# Altium PCB uTCA_MCH_PCB3.pcbdoc (part 6 of 25)
Units mil, origin at the board's own origin, x right, y up, seen from the top; angles counter-clockwise.
Board outline 7110.66 x 2894.12 mil, 12 copper layers (Top Layer, GND1, MidLayer1, PWR1, MidLayer2, GND2, PWR2, MidLayer3, GND3, MidLayer4, PWR3, Bottom Layer), stack 63.15 mil thick; 767 components, 905 nets, 4553 pads, 2832 vias.
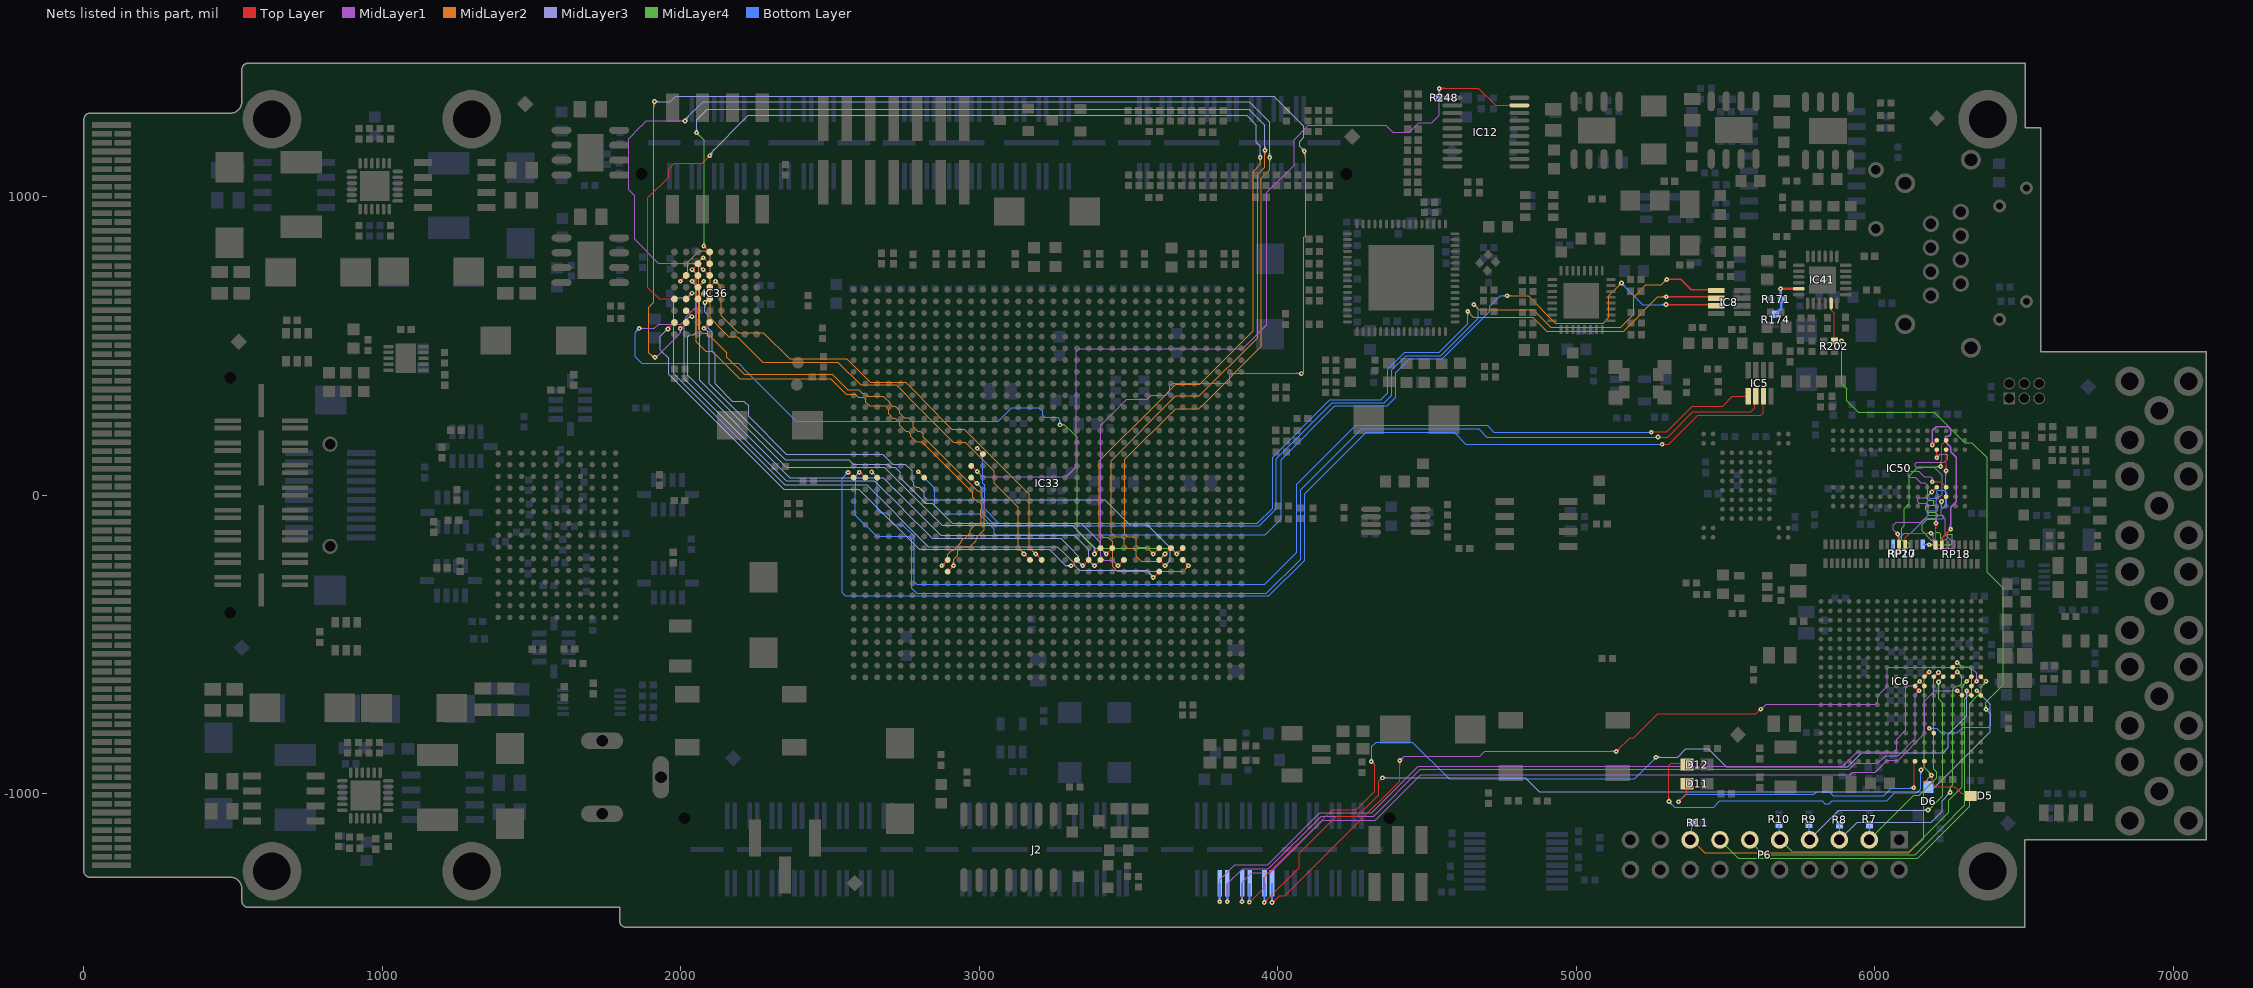
[diagram p16: the nets of this part, all layers, seen from the top]

## Via types
v1: diameter 15.75, hole 5.91, Top Layer to Bottom Layer, tented both sides, 2480 vias
v2: diameter 23.62, hole 11.81, Top Layer to Bottom Layer, tented both sides, 325 vias
v3: diameter 20, hole 10, Top Layer to Bottom Layer, tented both sides, 16 vias
v4: diameter 15.75, hole 7.87, Top Layer to Bottom Layer, tented both sides, 9 vias
v5: diameter 23.62, hole 11.81, Top Layer to Bottom Layer, 1 vias
v6: diameter 15.75, hole 5.91, Top Layer to Bottom Layer, 1 vias

## Nets (pads, with @x,y where several pads share a name; then routed paths per layer and width w, separated by ;. In a path a pad name is that pad's centre, name@x,y a point inside that pad or via, vN(x,y) a via of type N, cw(c..) or ccw(c..) an arc to the next point about the centre after c; other vN are vias at no path point) (continued)
CLK_25MHZ_IN: IC41.5 R171.2 R174.1 | length 165.9
  Top Layer w8: v1(5684.14,691.86) IC41.5@5745.08,691.86 ; v1@5686.88,689.12 cw(c5693.49,682.51) 5693.49,691.86 cw(c5693.49,701.21) v1@5686.88,694.6
  Bottom Layer w8: R174.1@5667.8,606.3 5686.81,625.31 R171.2@5686.81,655.79 ; v1(5684.14,691.86) 5684.33,691.67 R171.2@5684.33,659.06
CLK_EN: IC12.19 IC33.AD16 R248.1 | length 3168.4
  Top Layer w3.94: IC33.AD16@2972.44,98.43 2974.03,98.43 v1(2993.21,79.25) ; v1@2987.3,79.25 ccw(c2973.05,79.25) 2983.13,89.33 ccw(c2993.21,99.41) v1@2993.21,85.16 ; v1@4540.35,1364.24 4671.02,1364.24 4729.16,1306.1 IC12.19@4809.06,1306.1 ; v1@4542.12,1361.36 cw(c4549.08,1354.4) 4549.08,1364.24 ; v1@4544.91,1358.57 cw(c4558.58,1344.9) 4558.58,1364.24 ; v1@4544.91,1366.93 ccw(c4551.39,1373.41) 4551.39,1364.24
  MidLayer1 w3.94: v1@2993.21,73.34 cw(c2993.21,59.09) 3003.29,69.17 cw(c3013.37,79.25) v1@2999.12,79.25 ; v1(2993.21,79.25) 3010.31,62.15 3291.8,62.15 3325.17,95.52 3325.17,482.04 3333.93,490.8 3883.03,490.8 3963.2,570.97 3963.2,1014.32 4054.4,1105.52 4054.4,1191.8 4102.1,1239.5 4361.09,1239.5 4384.45,1216.14 4439.94,1216.14 4471.78,1247.98 4515.07,1247.98 4540.45,1273.36 v1@4540.45,1359.74 ; v1@4536.55,1358.57 cw(c4527.15,1349.17) 4540.45,1349.17 ; 4540.45,1347.82 cw(c4555.66,1347.82) v1@4544.91,1358.57
  Bottom Layer w3.94: v1@4536.55,1358.57 cw(c4526.13,1348.15) 4540.87,1348.15 ; R248.1@4540.87,1332.7 v1@4540.87,1361.51 ; 4540.87,1348.83 cw(c4554.65,1348.83) v1@4544.91,1358.57
  other v1: 4540.73,1362.75
CPU_JTAG.JNRST: D5.3 D6.3 IC6.M10 P6.15 R11.1 | length 1824
  Top Layer w3.94: IC6.M10@6166.06,-607.73 v1(6181.81,-591.98) ; v1@6175.91,-591.98 cw(c6161.65,-591.98) 6171.73,-602.07 cw(c6181.81,-612.15) v1@6181.81,-597.89 ; v1@6185.51,-942.62 cw(c6168.95,-959.18) 6192.37,-959.18 ; v1@6188.29,-939.83 cw(c6178.45,-949.68) 6192.37,-949.68 ; v1@6189.69,-940.41 6192.37,-943.09 6192.37,-965.06 6204.47,-977.16 6267.7,-977.16 6289.51,-998.97 6304.6,-998.97 D5.3@6309.53,-994.04 ; 6192.37,-946.22 cw(c6197.46,-946.22) v1@6193.86,-942.62
  MidLayer4 w3.94: v1@6175.91,-591.98 cw(c6161.65,-591.98) 6171.73,-602.07 cw(c6181.81,-612.15) v1@6181.81,-597.89 ; 6177.19,-922.53 cw(c6161.28,-938.44) v1@6183.78,-938.44 ; v1(6181.81,-591.98) 6166.06,-607.73 6166.06,-911.41 v1@6189.69,-935.03 ; 6183.91,-929.25 cw(c6174.72,-938.44) v1@6187.72,-938.44 ; 6185.43,-930.77 ccw(c6189.69,-926.52) v1@6189.69,-932.54
  MidLayer2 w3.94: P6.15@5384.53,-1153.38 5429.43,-1198.27 6113.07,-1198.25 6163.02,-1148.3 6163.02,-1135.49 ; 6163.26,-1135.25 6163.02,-1135.49 ; v1@6183.78,-938.44 cw(c6169.52,-938.44) 6179.6,-948.52 cw(c6189.69,-958.6) v1@6189.69,-944.35 ; v1@6189.69,-936.47 v1(6189.69,-938.44) 6163,-965.13 6163,-1135.51
  Bottom Layer w3.94: P6.15@5386.73,-1156.04 5386.73,-1099.07 R11.1@5389.09,-1096.71 ; D6.3@6177.87,-960.09 6177.87,-950.25 v1(6189.69,-938.44) ; v1@6183.78,-938.44 cw(c6169.52,-938.44) 6179.6,-948.52 cw(c6189.69,-958.6) v1@6189.69,-944.35
CPU_JTAG.JNTRST: IC6.N10 P6.3 R7.1 | length 788.8
  Top Layer w3.94: IC6.N10@6199.53,-607.73 v1(6213.31,-593.95) ; v1@6207.4,-593.95 cw(c6193.14,-593.95) 6203.23,-604.03 cw(c6213.31,-614.12) v1@6213.31,-599.86
  MidLayer4 w3.94: P6.3@5982.72,-1151.48 5983.72,-1151.48 6130.48,-1004.72 6149,-1004.72 6207.4,-946.32 6207.4,-928.6 6197.56,-918.76 6197.56,-609.7 v1(6213.31,-593.95) ; v1@6207.4,-593.95 cw(c6193.14,-593.95) 6203.23,-604.03 cw(c6213.31,-614.12) v1@6213.31,-599.86
  Bottom Layer w3.94: R7.1@5982.35,-1105.93 5982.35,-1155.16 P6.3@5984.24,-1157.05
CPU_JTAG.JRTCK: IC6.R11 P6.11 | length 1394.8
  Top Layer w3.94: IC6.R11@6260.55,-576.24 v1(6276.3,-560.49) ; v1@6270.39,-560.49 cw(c6256.14,-560.49) 6266.22,-570.57 cw(c6276.3,-580.65) v1@6276.3,-566.39
  MidLayer4 w3.94: P6.11@5581.84,-1159.08 5626.9,-1204.14 6134.52,-1204.14 6223.38,-1115.28 6223.48,-1115.28 6301.89,-1036.87 6301.89,-682 6324.41,-659.48 6324.41,-622.38 ; v1@6276.3,-566.39 cw(c6276.3,-580.65) 6286.38,-570.57 cw(c6296.46,-560.49) v1@6282.2,-560.49 ; v1(6276.3,-560.49) 6289.81,-574 6312.55,-574 6324.35,-585.8 6324.35,-622.32
  Bottom Layer w3.94: P6.11@5580.84,-1155.02 P6.11@5581.45,-1154.41
CPU_JTAG.JTCK: IC6.U10 P6.9 R10.1 | length 1205.8
  Top Layer w3.94: v1(6307.8,-623.48) IC6.U10@6323.54,-607.73 ; v1@6307.8,-617.57 ccw(c6307.8,-603.32) 6317.88,-613.4 ccw(c6327.96,-623.48) v1@6313.7,-623.48
  MidLayer4 w3.94: P6.9@5688.27,-1159.08 5723.15,-1193.96 6115.27,-1193.96 6160,-1149.23 6246.77,-1062.46 6246.77,-1021.32 6292.05,-976.04 6292.05,-639.23 v1(6307.8,-623.48) ; v1@6301.89,-623.48 cw(c6287.63,-623.48) 6297.71,-633.56 cw(c6307.8,-643.64) v1@6307.8,-629.39
  Bottom Layer w3.94: R10.1@5679.52,-1105.93 5679.52,-1148.58 P6.9@5682.61,-1151.67
CPU_JTAG.JTDI: IC6.R10 P6.5 R8.1 | length 1050.7
  Top Layer w3.94: IC6.R10@6260.55,-607.73 v1(6276.29,-591.98) ; 6266.2,-602.09 ccw(c6256.09,-591.98) v1@6270.38,-591.98 ; 6266.23,-602.05 cw(c6276.29,-612.11) v1@6276.29,-597.89
  MidLayer4 w3.94: v1@6248.12,-991.4 ccw(c6237.97,-981.25) 6252.33,-981.25 ; v1@6252.33,-994.72 6252.33,-978.35 6261.35,-969.33 6261.35,-650.19 6274.1,-637.44 6282.08,-637.44 6290.26,-629.26 6290.26,-605.95 v1(6276.29,-591.98) ; 6252.33,-981.4 ccw(c6266.48,-981.4) v1@6256.48,-991.4 ; v1@6276.29,-597.89 cw(c6276.29,-612.15) 6286.37,-602.06 cw(c6296.45,-591.98) v1@6282.19,-591.98
  MidLayer3 w3.94: P6.5@5881.21,-1154.67 5940.44,-1095.44 6188.46,-1095.44 6225.19,-1058.71 6225.19,-1022.79 v1@6251.3,-996.68 ; 6242.15,-1005.83 ccw(c6231.9,-995.58) v1@6246.39,-995.58 ; 6242.39,-1005.59 cw(c6252.3,-1015.5) v1@6252.3,-1001.49
  Bottom Layer w3.94: R8.1@5882.28,-1105.93 5882.28,-1153.41 P6.5@5886.43,-1157.56
  other v1: 6252.3,-995.58
CPU_JTAG.JTDO: IC6.V10 P6.13 | length 1444.5
  Top Layer w3.94: IC6.V10@6355.04,-607.73 v1@6370.79,-623.48 ; IC6.V10@6359.32,-612.01 ccw(c6372.76,-598.57) v1@6372.76,-617.57 ; 6364.07,-616.76 cw(c6357.34,-623.48) v1@6366.85,-623.48 ; 6366.04,-618.73 ccw(c6372.76,-612.01) v1@6372.76,-621.51
  MidLayer4 w3.94: P6.13@5486.57,-1161.11 5541.71,-1216.25 6143.18,-1216.25 6317.64,-1041.79 6317.64,-698.28 6346.99,-668.93 ; 6347.03,-668.93 6357.01,-658.95 6357.01,-641.2 v1@6370.79,-627.42 ; 6361.28,-636.92 ccw(c6347.84,-623.48) v1@6366.85,-623.48 ; 6366.03,-632.17 cw(c6372.76,-638.89) v1@6372.76,-629.39 ; 6368,-630.2 ccw(c6361.28,-623.48) v1@6370.79,-623.48
  other v1: 6372.76,-623.48
CPU_JTAG.JTMS: IC6.P10 P6.7 R9.1 | length 1067.9
  Top Layer w3.94: v1@6213.29,-623.49 IC6.P10@6229.06,-607.73 ; v1@6213.29,-619.54 ccw(c6213.29,-610) 6220.04,-616.75 ; v1@6215.26,-625.45 cw(c6224.73,-625.45) 6218.04,-618.75 ; v1@6219.2,-625.45 cw(c6238.18,-625.45) IC6.P10@6224.76,-612.03
  MidLayer4 w3.94: v1@6177.87,-1052.61 ccw(c6177.87,-1043.11) 6184.59,-1049.83 ; v1@6177.87,-1048.68 ccw(c6177.87,-1029.67) 6191.32,-1043.11 ; v1@6179.84,-1054.58 6228.25,-1006.18 6228.25,-697.48 6213.31,-682.54 v1(6213.29,-625.45) ; v1@6183.78,-1054.58 cw(c6193.28,-1054.58) 6186.56,-1047.86 ; v1@6209.12,-629.62 cw(c6199.01,-639.74) 6213.31,-639.74 ; 6213.31,-639.67 cw(c6227.52,-639.67) v1@6217.47,-629.62
  MidLayer3 w3.94: P6.7@5776.29,-1156.65 5878.36,-1054.58 v1(6177.87,-1054.58) ; v1@6173.7,-1058.76 ccw(c6163.62,-1068.84) 6163.62,-1054.58 ccw(c6163.62,-1040.33) v1@6173.7,-1050.41
  Bottom Layer w3.94: R9.1@5779.56,-1105.93 5780.64,-1105.93 P6.7@5780.64,-1146.78
CPU_LED1: D11.2 IC6.L1 | length 1075
  Top Layer w3.94: v1(5342,-1027) 5369.02,-999.98 D11.2@5369.02,-962.24 ; v1@5342,-1021.09 ccw(c5342,-1006.84) 5352.08,-1016.92 ccw(c5362.16,-1027) v1@5347.91,-1027 ; v1@6126.45,-975.6 ccw(c6111.62,-960.77) 6132.6,-960.77 ; v1@6129.24,-978.39 ccw(c6121.13,-970.27) 6132.6,-970.27 ccw(c6140.13,-970.27) v1@6134.81,-975.6 ; v1@6132.6,-977.81 IC6.L1@6132.6,-893.17
  Bottom Layer w3.94: v1(5342,-1027) 5367,-1002 5492,-1002 ; v1@5342,-1021.09 ccw(c5342,-1006.84) 5352.08,-1016.92 ccw(c5362.16,-1027) v1@5347.91,-1027 ; 5492.09,-1001.91 5796.04,-1001.91 5804.71,-993.24 5847.41,-993.24 5860.79,-1006.63 6028.98,-1006.63 6054.84,-980.76 v1@6127.68,-980.76 ; 6114,-980.76 ccw(c6114,-963.15) v1@6126.45,-975.6 ; 6118.75,-980.76 cw(c6118.75,-991.66) v1@6126.45,-983.96
  other v1: 6130.63,-979.78
CPU_LED2: D12.2 IC6.M1 | length 1254.4
  Top Layer w3.94: v1@5305.82,-1021.82 ccw(c5295.74,-1011.74) 5310,-1011.74 ccw(c5324.26,-1011.74) v1@5314.18,-1021.82 ; v1(5310,-1026) 5310,-906 5317.89,-898.11 D12.2@5370.71,-898.11 ; v1(6154.25,-920.72) 6166.06,-908.91 IC6.M1@6166.06,-891.2 ; v1@6154.25,-914.82 ccw(c6154.25,-900.56) 6164.33,-910.64 ccw(c6174.41,-920.72) v1@6160.16,-920.72
  Bottom Layer w3.94: v1@5310,-1031.91 cw(c5310,-1046.16) 5320.08,-1036.08 cw(c5330.16,-1026) v1@5315.91,-1026 ; v1(5310,-1026) 5329.45,-1045.45 5459.45,-1045.45 5480.6,-1024.3 5823.91,-1024.3 5832.93,-1033.33 5847.61,-1033.33 5856.63,-1024.3 6039.35,-1024.3 6066.15,-997.5 6140.47,-997.5 6154.25,-983.72 v1@6154.25,-922.69 ; v1@6150.08,-924.9 cw(c6139.99,-934.98) 6154.25,-934.98 cw(c6168.51,-934.98) v1@6158.43,-924.9
CPU_SSC.RD1: IC6.T8 J2.23 | length 2958.5
  Top Layer w3.94: v1@6276.3,-660.88 cw(c6276.3,-675.14) 6286.38,-665.06 cw(c6296.46,-654.98) v1@6282.2,-654.98 ; v1(6276.3,-654.98) IC6.T8@6292.05,-670.72
  MidLayer1 w3.94: v1@3875.74,-1358.03 ccw(c3865.66,-1347.94) 3879.91,-1347.94 ccw(c3894.17,-1347.94) v1@3884.09,-1358.03 ; v1(3879.91,-1362.2) 3879.91,-1296.09 3912,-1264 3975,-1264 4150.32,-1088.68 4326.68,-1088.68 4478.35,-937.01 5917.87,-937.01 5926.44,-928.44 6000.56,-928.44 6042,-887 6078,-887 6167.74,-797.26 6167.74,-687.74 6200.51,-654.98 v1(6276.3,-654.98) ; v1@6272.12,-659.15 ccw(c6262.04,-669.23) 6262.04,-654.98 ccw(c6262.04,-640.72) v1@6272.12,-650.8
  Bottom Layer w6.89: v1@3876.78,-1359.07 ccw(c3869.2,-1351.49) 3879.92,-1351.49 ; v1(3879.91,-1362.2) J2.23@3879.92,-1302.17 ; 3879.92,-1351.53 ccw(c3890.59,-1351.53) v1@3883.05,-1359.07
CPU_SSC.RF1: IC6.M9 J2.27 | length 2963.1
  Top Layer w3.94: v1@6150.31,-629.39 cw(c6150.31,-643.64) 6160.4,-633.56 cw(c6170.48,-623.48) v1@6156.22,-623.48 ; v1(6150.31,-623.48) IC6.M9@6166.06,-639.23
  MidLayer1 w3.94: v1@3800.93,-1358.03 ccw(c3790.85,-1347.94) 3805.11,-1347.94 ccw(c3819.37,-1347.94) v1@3809.29,-1358.03 ; v1(3805.11,-1362.2) 3805.11,-1288.89 3855.81,-1238.19 3965.81,-1238.19 4141.01,-1062.99 4314.96,-1062.99 4469.95,-908 5892.67,-908 5940.67,-860 6064,-860 6073,-851 6073,-817 6104,-786 6104,-645 6110.1,-638.9 6134.9,-638.9 v1(6150.31,-623.48) ; v1@6144.41,-623.48 cw(c6130.15,-623.48) 6140.23,-633.56 cw(c6150.31,-643.64) v1@6150.31,-629.39
  Bottom Layer w6.89: v1@3801.98,-1359.07 ccw(c3793.83,-1350.92) 3805.35,-1350.92 ; v1@3805.35,-1361.96 J2.27@3805.35,-1301.77 ; 3805.35,-1352.1 ccw(c3815.21,-1352.1) v1@3808.24,-1359.07
CPU_SSC.RK1: IC6.L9 J2.25 | length 2903.1
  Top Layer w3.94: IC6.L9@6134.57,-639.23 v1@6148.35,-653.01 ; IC6.L9@6136.87,-641.53 cw(c6123.43,-654.98) v1@6142.44,-654.98 ; 6141.63,-646.29 ccw(c6148.35,-639.57) v1@6148.35,-649.07 ; 6143.59,-648.26 cw(c6136.87,-654.98) v1@6146.38,-654.98
  MidLayer1 w3.94: v1@3826.53,-1358.03 ccw(c3816.44,-1347.94) 3830.7,-1347.94 ccw(c3844.96,-1347.94) v1@3834.88,-1358.03 ; v1(3830.7,-1362.2) 3830.7,-1302.3 3881.56,-1251.44 3968.56,-1251.44 4145,-1075 4320.67,-1075 4476.89,-918.78 5913.46,-918.78 5934.24,-898 6010,-898 6036,-872 6078.45,-872 6136,-814.45 6136,-667.32 v1(6148.35,-654.98) ; v1@6142.44,-654.98 cw(c6128.18,-654.98) 6138.27,-665.06 cw(c6148.35,-675.14) v1@6148.35,-660.88
  Bottom Layer w6.89: v1@3827.57,-1359.07 ccw(c3820.01,-1351.51) 3830.7,-1351.51 ccw(c3841.39,-1351.51) v1@3833.83,-1359.07 ; v1(3830.7,-1362.2) J2.25@3830.7,-1301.92
CPU_SSC.TD1: IC6.U8 J2.21 | length 3317.4
  Top Layer w3.94: v1@3904.52,-1361.22 ccw(c3904.52,-1351.7) 3911.25,-1358.43 ; v1@3904.52,-1357.28 ccw(c3904.52,-1338.26) 3917.97,-1351.71 ; v1@3906.5,-1363.19 3954.72,-1314.96 3954.72,-1280.15 4181.9,-1052.97 4263.22,-1052.97 4325,-991.19 4325,-903.74 v1(4312.99,-891.73) ; v1@3910.43,-1363.19 cw(c3919.91,-1363.19) 3913.2,-1356.48 ; v1@4312.99,-897.64 cw(c4312.99,-911.89) 4323.07,-901.81 cw(c4333.15,-891.73) v1@4318.9,-891.73 ; v1@6307.04,-654.22 IC6.U8@6323.54,-670.72 ; v1@6307.78,-660.88 cw(c6307.78,-675.17) 6317.88,-665.06 ; v1@6313.69,-654.97 ccw(c6327.92,-654.97) 6317.86,-665.04
  MidLayer3 w3.94: v1(5267.01,-877.68) 5338.82,-877.68 5366.75,-849.75 5441.75,-849.75 5502,-910 5909,-910 5940,-879 5940,-878.69 5956.04,-862.65 6228.35,-862.65 6246,-845 6246,-801 6307.78,-739.22 v1(6307.78,-654.97) ; v1@5271.18,-881.85 cw(c5281.27,-891.93) 5281.27,-877.68 cw(c5281.27,-863.42) v1@5271.18,-873.5 ; v1@6303.61,-659.15 cw(c6293.53,-669.23) 6307.78,-669.23 cw(c6322.04,-669.23) v1@6311.96,-659.15
  Bottom Layer w3.94: v1@4308.82,-887.56 ccw(c4293.98,-872.72) 4314.96,-872.72 ; v1@4311.6,-890.34 ccw(c4303.49,-882.23) 4314.96,-882.23 ccw(c4322.5,-882.23) v1@4317.17,-887.56 ; v1@4314.96,-889.76 4314.96,-840.98 4329.21,-826.73 4450.94,-826.73 4573.61,-949.39 5196.28,-949.39 v1@5267.8,-877.87 ; 5256.23,-889.44 ccw(c5244.47,-877.68) v1@5261.1,-877.68 ; 5258.61,-887.06 cw(c5267.01,-895.46) v1@5267.01,-883.58
  Bottom Layer w6.89: v1@3901.39,-1360.06 ccw(c3891.43,-1350.1) 3905.51,-1350.1 ; v1@3905.51,-1362.2 J2.21@3905.51,-1301.77 ; 3905.51,-1354.89 ccw(c3912.82,-1354.89) v1@3907.65,-1360.06
  other v1: 3904.52,-1363.19
CPU_SSC.TF1: IC6.U9 J2.17 | length 3142.8
  Top Layer w3.94: v1@3980.31,-1362.2 ccw(c3980.31,-1352.7) 3987.04,-1359.42 ; v1@3980.31,-1358.27 ccw(c3980.31,-1339.26) 3993.76,-1352.7 ; v1@3982.28,-1364.17 4003.94,-1342.52 4022.48,-1342.52 4254.75,-1110.25 ; v1@3986.22,-1364.17 cw(c3995.73,-1364.17) 3989,-1357.45 ; 4254.79,-1110.25 4407.48,-957.56 v1@4407.48,-883.86 ; v1@4404.33,-893.03 cw(c4396.72,-900.64) 4407.48,-900.64 ; 4407.48,-905.59 cw(c4425.23,-905.59) v1@4412.68,-893.03 ; v1(4408.5,-888.86) v1@4408.5,-884.88 ; v1(5133.86,-858.27) 5180.13,-812 5192.15,-812 5271.87,-732.28 5601.19,-732.28 v1@5617.51,-715.96 ; v1@5133.86,-852.36 ccw(c5133.86,-838.11) 5143.94,-848.19 ccw(c5154.02,-858.27) v1@5139.76,-858.27 ; 5606.04,-727.43 cw(c5618.08,-739.48) v1@5618.08,-722.45 ; 5608.81,-724.66 ccw(c5600.69,-716.54) v1@5612.17,-716.54 ; IC6.U9@6323.54,-639.23 v1@6339.29,-623.48 ; IC6.U9@6327.83,-634.94 cw(c6341.25,-648.36) v1@6341.25,-629.38 ; 6332.55,-630.22 ccw(c6325.8,-623.48) v1@6335.34,-623.48 ; 6334.55,-628.22 cw(c6341.25,-634.92) v1@6341.25,-625.45
  MidLayer1 w3.94: v1(4408.5,-888.86) 4423.7,-873.66 4476.77,-873.66 ; v1@4408.5,-882.95 ccw(c4408.5,-868.7) 4418.59,-878.78 ccw(c4428.67,-888.86) v1@4414.41,-888.86 ; 4476.85,-873.74 4676.26,-873.74 4693.19,-856.81 5128.9,-856.81 v1@5131.85,-859.76 ; 5116.08,-856.81 cw(c5116.08,-876.04) v1@5129.68,-862.44 ; 5123.12,-856.81 ccw(c5123.12,-847.53) v1@5129.68,-854.09 ; 5125.59,-856.81 cw(c5125.59,-866.54) v1@5132.47,-859.66 ; v1@5618.08,-714.57 ccw(c5618.08,-705.26) 5624.67,-711.84 ; v1@5618.08,-710.63 ccw(c5618.08,-691.81) 5631.39,-705.12 ; v1@5621.11,-715.4 5635.51,-701 6000.68,-701 6009.16,-692.52 6009.16,-671.05 6041.11,-639.1 6041.11,-581.19 ; v1@5623.99,-716.54 cw(c5633.68,-716.54) 5626.82,-709.69 ; 6041.11,-580.93 6046.61,-575.43 6320.43,-575.43 6341.25,-596.25 v1(6341.25,-623.48) ; v1@6337.07,-619.3 ccw(c6326.99,-609.22) 6341.25,-609.22 ccw(c6355.5,-609.22) v1@6345.42,-619.3
  Bottom Layer w6.89: v1@3977.18,-1361.04 ccw(c3969.24,-1353.1) 3980.47,-1353.1 ; v1@3980.47,-1362.05 J2.17@3980.47,-1301.77 ; 3980.47,-1353.86 ccw(c3990.63,-1353.86) v1@3983.45,-1361.04
  other v1: 3980.31,-1364.17 5618.08,-716.54
CPU_SSC.TK1: IC6.V8 J2.19 | length 3132.8
  Top Layer w3.94: v1(3954.72,-1364.17) 4071.56,-1247.34 4071.56,-1199.19 4195.67,-1075.08 4266.34,-1075.08 4338.58,-1002.84 4338.58,-958.66 v1(4350.39,-946.85) ; v1@3954.72,-1358.27 ccw(c3954.72,-1344.01) 3964.81,-1354.09 ccw(c3974.89,-1364.17) v1@3960.63,-1364.17 ; v1@4344.49,-946.85 cw(c4330.23,-946.85) 4340.31,-956.93 cw(c4350.39,-967.01) v1@4350.39,-952.76 ; v1@6341.25,-660.88 cw(c6341.25,-670.41) 6347.99,-663.67 ; v1@6341.25,-656.93 IC6.V8@6355.04,-670.72 ; v1@6343.22,-654.97 ccw(c6352.69,-654.97) 6345.99,-661.67 ; v1@6347.15,-654.97 ccw(c6366.13,-654.97) IC6.V8@6352.71,-668.4
  MidLayer3 w3.94: v1(4350.39,-946.85) 4829.02,-946.85 4875.71,-993.54 6185.45,-993.54 6386,-792.99 6386,-699.73 v1(6341.25,-654.97) ; v1@4354.57,-951.03 cw(c4364.65,-961.11) 4364.65,-946.85 cw(c4364.65,-932.59) v1@4354.57,-942.67 ; v1@6341.25,-660.88 cw(c6341.25,-675.14) 6351.33,-665.06 cw(c6361.41,-654.97) v1@6347.15,-654.97
  Bottom Layer w6.89: v1@3951.59,-1361.04 ccw(c3942.7,-1352.15) 3955.28,-1352.15 ; v1@3955.28,-1361.65 J2.19@3955.28,-1301.77 ; 3955.28,-1354.81 ccw(c3964.09,-1354.81) v1@3957.86,-1361.04
CRS_DV: IC6.N4 IC41.11 R202.1 | length 2235.9
  Top Layer w3.94: IC41.11@5853.35,642.65 5853.35,620.6 5864.13,609.82 R202.1@5864.13,517.4 5864.54,517 v1(5888,517) ; v1@5883.82,512.82 ccw(c5873.74,502.74) 5873.74,517 ccw(c5873.74,531.26) v1@5883.82,521.18 ; v1@6181.81,-786.87 cw(c6181.81,-801.12) 6191.89,-791.04 cw(c6201.97,-780.96) v1@6187.72,-780.96 ; v1(6181.81,-780.96) IC6.N4@6197.56,-796.71
  MidLayer4 w3.94: v1@5883.82,512.82 cw(c5873.74,502.74) 5888,502.74 cw(c5902.26,502.74) v1@5892.18,512.82 ; v1(5888,517) v1@5889,516 ; v1@5888.28,510.66 5888.28,373.45 5905.24,356.49 5905.24,317.08 5944.46,277.86 6198.89,277.86 6300.44,176.31 6325.17,176.31 6376.28,125.2 6376.28,-257.24 6430.11,-311.07 6430.11,-634.89 6372,-693 v1(6372,-717) ; v1@6367.82,-712.82 ccw(c6357.74,-702.74) 6372,-702.74 ccw(c6386.26,-702.74) v1@6376.18,-712.82
  Bottom Layer w3.94: v1(6181.81,-780.96) 6207.4,-780.96 6222.66,-796.22 6276.79,-796.22 6295.98,-777.02 6381.98,-777.02 6389,-770 6389,-734 v1(6372,-717) ; v1@6185.99,-785.14 cw(c6196.07,-795.22) 6196.07,-780.96 cw(c6196.07,-766.7) v1@6185.99,-776.78 ; v1@6372,-722.91 cw(c6372,-737.16) 6382.08,-727.08 cw(c6392.16,-717) v1@6377.91,-717
D0: IC33.AF24 IC36.F2 | length 1877.4
  Top Layer w3.94: v1(2037.4,755.91) IC36.F2@2057.09,775.59 ; v1@2037.4,761.81 ccw(c2037.4,776.07) 2047.48,765.99 ccw(c2057.56,755.91) v1@2043.31,755.91 ; v1(2874.02,-236.22) IC33.AF24@2893.7,-216.54 ; v1@2874.02,-230.32 ccw(c2874.02,-216.06) 2884.1,-226.14 ccw(c2894.18,-236.22) v1@2879.92,-236.22
  MidLayer2 w3.94: v1@2037.4,750 cw(c2037.4,735.74) 2047.48,745.82 cw(c2057.56,755.91) v1@2043.31,755.91 ; v1(2037.4,755.91) 2052.05,741.26 2052.05,513.78 2084.09,481.73 2105.08,481.73 2197.05,389.76 2502.6,389.76 2554.53,337.83 2583.43,337.83 2593.5,327.76 2611.98,327.76 2619.77,319.97 2619.77,312.24 2632.21,299.8 2684.45,299.8 2695.82,288.43 2695.82,272.39 2709.53,258.68 2717.99,258.68 2733.44,243.23 2733.44,234.77 2753.65,214.57 2761.29,214.57 2770.85,205.01 2770.85,197.66 2788.56,179.94 2806.28,179.94 2977.19,9.04 2977.19,-6.19 2993.46,-22.46 2999.13,-22.46 3008.05,-31.38 3008.05,-45.15 3003.94,-49.26 3003.94,-70.82 3006.08,-72.96 3006.08,-88.7 2999.13,-95.65 2988.99,-95.65 2969.67,-114.98 2969.67,-125.12 2956.99,-137.8 ; v1@2874.02,-230.32 ccw(c2874.02,-216.06) 2884.1,-226.14 ccw(c2894.18,-236.22) v1@2879.92,-236.22 ; v1@2875.98,-234.25 2893.7,-216.54 2893.7,-198.44 2908.09,-184.06 2913.58,-184.06 2939.96,-157.68 2939.96,-152.18 2947.46,-144.68 2950.2,-144.68 2956.99,-137.9
D1: IC33.AF25 IC36.E2 | length 1913.1
  Top Layer w3.94: v1@2074.65,789.76 cw(c2074.65,771.33) 2087.68,784.36 ; v1@2076.77,795.27 IC36.E2@2096.46,775.59 ; v1@2080.55,795.67 ccw(c2090.63,795.67) 2083.5,788.54 ; IC33.AF25@2893.7,-255.91 v1(2913.39,-236.22) ; v1@2907.48,-236.22 cw(c2893.22,-236.22) 2903.3,-246.3 cw(c2913.39,-256.38) v1@2913.39,-242.13
  MidLayer2 w3.94: 2060.53,783.92 cw(c2074.65,769.8) v1@2074.65,789.76 ; 2066.23,789.62 ccw(c2060.19,795.67) v1@2068.74,795.67 ; 2067.25,790.64 cw(c2074.65,783.25) v1@2074.65,793.7 ; v1@2070.43,793.82 v1@2068.25,791.63 ; v1(2074.65,795.67) 2070.61,791.63 v1@2068.25,791.63 ; 2817.1,189.96 2812.18,194.88 2812.18,203.86 2802.28,213.76 2793.82,213.76 2778.73,228.86 2778.73,242.93 2762.61,259.04 2748.54,259.04 2733.44,274.14 2733.44,282.6 2717.99,298.05 2709.53,298.05 2699.62,307.96 2699.62,311.08 2678.46,332.24 2627.44,332.24 2625.04,334.65 2618.83,334.65 2612.16,341.32 2607.27,341.32 2595.7,352.88 2559.76,352.88 2507.32,405.32 2211.69,405.32 2154.09,462.91 2154.09,477.41 2089.1,542.4 2071.93,542.4 2059.88,554.45 2059.88,783.27 v1@2068.25,791.63 ; 2818.06,189.82 2992.93,14.94 2998.31,14.94 3007.07,6.19 3007.07,-5.1 3016.27,-14.3 3016.27,-115.66 3014.69,-117.24 ; v1@2909.21,-232.04 ccw(c2899.13,-221.96) 2913.39,-221.96 ccw(c2927.64,-221.96) v1@2917.56,-232.04 ; v1(2913.39,-236.22) 2913.39,-214.95 2927.17,-201.17 2927.17,-185.04 ; 2927.34,-184.86 2938.98,-173.23 2968.5,-173.23 2989.29,-152.45 2989.29,-142.6 3014.59,-117.3
D2: IC33.W24 IC36.G3 | length 2019.6
  Top Layer w3.94: v1(1998.03,716.54) IC36.G3@2017.72,736.22 ; v1@1998.03,722.44 ccw(c1998.03,736.7) 2008.11,726.62 ccw(c2018.19,716.54) v1@2003.94,716.54 ; v1@3149.61,-202.76 cw(c3149.61,-217.01) 3159.69,-206.93 cw(c3169.77,-196.85) v1@3155.51,-196.85 ; v1(3149.61,-196.85) IC33.W24@3169.29,-216.54
  MidLayer2 w3.94: v1(1998.03,716.54) 2023.11,741.61 2023.11,780.63 2061.65,819.17 2082.01,819.17 2098.04,803.14 2098.04,594.04 2140.43,551.65 ; v1@1998.03,722.44 ccw(c1998.03,736.7) 2008.11,726.62 ccw(c2018.19,716.54) v1@2003.94,716.54 ; 2140.63,551.46 2160.87,531.22 2188.39,531.22 2273.94,445.67 2525.94,445.67 2601.77,369.84 2720.71,369.84 2802.28,288.27 ; 2800.58,290.35 2808.07,282.86 ; 2808.07,282.05 2912.71,177.41 2953.17,177.41 3049.43,81.15 3049.43,40.69 3129.88,-39.76 3129.88,-174.88 ; 3129.92,-175.2 v1@3151.57,-196.85 ; 3138.13,-183.41 cw(c3124.69,-196.85) v1@3143.7,-196.85 ; 3142.89,-188.16 ccw(c3149.61,-181.44) v1@3149.61,-190.94 ; 3144.85,-190.13 cw(c3138.13,-196.85) v1@3147.64,-196.85